# Allegro board SG2042_EVB_V2_0.brd (continued)
## Routing (per net, layer and track width the routed paths; a pad name or vN(x,y) marks a point on that pad's centre or on a via; arc(x,y) is an arc through that point) (continued)
NVME0_TX_P0: length 2.1
  TOP w0.114: J2030.49 153.01,43.69 152.88,43.56 152.2,43.56 C5870.2
NVME0_TX_P1: length 2.1
  TOP w0.114: C5874.2 152.21,40.56 152.88,40.56 153.01,40.69 J2030.37
NVME0_TX_P2: length 2.1
  TOP w0.114: J2030.25 153.01,37.69 152.88,37.56 152.21,37.56 C5878.2
NVME0_TX_P3: length 2.1
  TOP w0.114: C5882.2 152.21,34.56 152.88,34.56 153.01,34.69 J2030.13
OSC32_IN: length 9.7
  TOP w0.102: U2001.1 18.69,63.73 19.23,64.26 19.23,64.57 19.58,64.92 23.55,64.92 C2000.1 24.26,64.92 25.32,64.92 25.43,65.02 Y2000.1
OSC32_OUT: length 9.4
  TOP w0.102: Y2000.2 25.43,64.62 25.32,64.72 24.26,64.72 C2001.1 23.55,64.72 19.66,64.72 19.43,64.49 19.43,64.26 19.96,63.73 U2001.2
PCB_VRE0: length 2.4
  TOP w0.102: U2009.26 v1(117.72,28.83)
  BOTTOM w0.102: v1(117.72,28.83) 117.73,28.83 C3335.2 R2037.2
PCIE0_0_REFCLK_M: length 125.3
  TOP w0.081: R275.2 114.72,113.25 115.03,113.25 115.42,113.64 115.75,113.64 R292.1 116.41,113.64 135.34,113.64 138.6,110.39 v1(138.86,110.39)
  ART03 w0.089: v1(138.86,110.39) 138.86,110.13 139.06,109.93 139.32,109.93 141.68,112.3 141.68,165.32 124.63,182.38 124.63,198.94 124.86,199.17 125.16,199.17 125.25,199.26 v1(125.25,199.55)
PCIE0_0_REFCLK_P: length 125.3
  TOP w0.081: R274.2 114.72,113.01 115.12,113.01 115.51,113.41 115.75,113.41 R293.1 116.41,113.41 135.24,113.41 138.43,110.22 v1(138.43,109.96)
  ART03 w0.089: v1(125.25,198.55) 125.25,198.84 125.16,198.93 124.96,198.93 124.87,198.84 124.87,182.48 141.93,165.42 141.93,112.2 139.42,109.69 138.96,109.69 138.69,109.96 v1(138.43,109.96)
PCIE0_1_REFCLK_M: length 119.7
  TOP w0.081: v1(137.21,108.74) 136.94,108.74 134.71,110.98 117.83,110.98 R294.1 117.17,110.98 116.15,110.98 115.86,111.27 114.72,111.27 R271.2
  ART14 w0.089: v1(137.21,108.74) 136.95,108.74 136.63,109.06 136.63,109.4 141.93,114.69 141.93,165.42 125.87,181.48 125.87,193.94 125.64,194.17 125.34,194.17 125.25,194.26 v1(125.25,194.55)
PCIE0_1_REFCLK_P: length 119.7
  TOP w0.081: R270.2 114.72,111.03 115.76,111.03 116.05,110.74 117.17,110.74 R295.1 117.83,110.74 134.61,110.74 135.61,109.74 arc(135.66,109.63) 135.61,109.52 arc(135.57,109.41) 135.61,109.29 135.68,109.23 arc(135.79,109.18) 135.9,109.23 arc(136.01,109.27) 136.12,109.23 136.78,108.57 v1(136.78,108.31)
  ART14 w0.089: v1(136.78,108.31) 136.78,108.57 136.39,108.96 136.39,109.5 141.68,114.79 141.68,165.32 125.63,181.38 125.63,193.84 125.54,193.93 125.34,193.93 125.25,193.84 v1(125.25,193.55)
PCIE0_2_REFCLK_M: length 56.5
  TOP w0.081: R283.2 101.37,107.62 v1(101.24,107.49) ; J2046.A14 60.6,86.35 60.22,86.73 60.22,87.14 R288.1 60.55,87.95 v1(60.41,88.09)
  ART14 w0.089: v1(101.24,107.49) 101.15,107.39 arc(101.05,107.33) 100.94,107.31 87.12,107.31 arc(83.1,106.51) 79.7,104.23 78.67,103.2 arc(77.14,100.92) 76.61,98.23 76.61,96.78 arc(76.33,95.41) 75.56,94.25 75.54,94.24 arc(74.39,93.46) 73.02,93.19 67.12,93.19 arc(66.78,93.12) 66.49,92.93 62.31,88.75 arc(62.19,88.7) 62.08,88.75 arc(61.96,88.8) 61.85,88.75 61.79,88.69 arc(61.74,88.57) 61.79,88.46 arc(61.84,88.35) 61.79,88.23 61.17,87.61 arc(60.95,87.46) 60.7,87.41 60.51,87.41 arc(60.41,87.43) 60.32,87.49 60.31,87.51 arc(60.25,87.59) 60.23,87.69 60.23,87.78 arc(60.25,87.89) 60.32,87.99 v1(60.41,88.09)
PCIE0_2_REFCLK_P: length 56.5
  TOP w0.081: v1(101.24,106.88) 101.37,106.76 R282.2 ; v1(59.8,88.09) 59.66,87.95 R289.1 59.98,87.16 59.98,86.73 59.6,86.35 J2046.A13
  ART14 w0.089: v1(59.8,88.09) 59.9,87.99 arc(59.97,87.89) 59.99,87.78 59.99,87.69 arc(60.03,87.5) 60.14,87.34 60.15,87.32 arc(60.32,87.21) 60.51,87.17 60.7,87.17 arc(61.04,87.24) 61.34,87.44 66.66,92.76 arc(66.87,92.9) 67.12,92.95 73.02,92.95 arc(74.48,93.24) 75.72,94.07 75.73,94.08 arc(76.56,95.32) 76.85,96.78 76.85,98.23 arc(77.37,100.83) 78.84,103.03 79.87,104.06 arc(83.2,106.29) 87.12,107.07 100.94,107.07 arc(101.05,107.05) 101.15,106.98 v1(101.24,106.88)
PCIE0_3_REFCLK_M: length 1.7
  TOP w0.081: R269.2 114.72,109.29 115.48,109.29 R296.1
PCIE0_3_REFCLK_P: length 1.7
  TOP w0.081: R268.2 114.72,109.05 115.48,109.05 R297.1
PCIE0_ATB_0: length 59.4
  TOP w0.102: T37.1 v1(152.58,285.47) ; U1.H29 v1(117.75,242.05)
  ART14 w0.102: v1(152.58,285.47) 152.58,284.76 118.13,250.32 118.13,242.43 v1(117.75,242.05)
PCIE0_ATB_1: length 58.3
  TOP w0.102: U1.G29 v1(117.75,243.05) ; T34.1 v1(152.12,285.01)
  ART14 w0.102: v1(117.75,243.05) 117.37,243.43 117.37,250.26 v1(152.12,285.01)
PCIE0_L0_CLKREQ_IN_X: length 244.1
  TOP w0.102: U1.E31 v1(119.75,245.05) ; U814.3 v1(41.58,241.78)
  ART05 w0.102: v1(41.58,241.78) 42.3,241.78 46.66,246.15 46.66,289.3 59.32,301.96 154.48,301.96 v1(163.45,292.99)
  BOTTOM w0.102: v1(163.45,292.99) 162.8,292.99 120.13,250.32 120.13,245.43 v1(119.75,245.05)
PCIE0_L0_CLKREQ_IN_X_H: length 169.1
  TOP w0.102: J2046.B12 v1(58.6,76.62) ; R1332.2 v1(42.11,231.7)
  ART03 w0.102: v1(42.11,231.7) 41.07,230.66 41.07,224.86 41.76,224.17 41.76,221.56 45.26,218.05 45.26,213.59 48.84,210.01 48.84,202.79 48.18,202.13 48.18,189.43 48.84,188.77 48.84,174.41 49,174.26 49,159.99 48.39,159.38 48.39,150.91 49.28,150.02 49.28,134.39 56.29,127.38 56.29,125.34 59.21,122.42 59.21,112.83 58.14,111.77 58.14,108.09 56.18,106.13 56.18,89.59 55.19,88.6 55.19,80.03 v1(58.6,76.62)
PCIE0_L0_RESET_X: length 239.2
  TOP w0.102: U814.1 v1(42.88,241.78) R2276.2 ; U1.A32 v1(120.75,249.05)
  ART05 w0.102: v1(163.45,292.18) 153.87,301.75 59.4,301.75 46.86,289.21 46.86,245.77 v1(42.88,241.78)
  BOTTOM w0.102: v1(120.75,249.05) 120.75,250.27 162.18,291.69 162.97,291.69 v1(163.45,292.18)
PCIE0_L0_RESET_X_H: length 156.9
  TOP w0.102: R1311.2 v1(42.98,231.7) ; J2046.A11 v1(55.6,86.54)
  ART03 w0.102: v1(42.98,231.7) 41.27,230 41.27,224.94 41.96,224.26 41.96,221.64 45.47,218.14 45.47,213.67 49.05,210.09 49.05,174.5 49.2,174.35 49.2,150.38 49.48,150.1 49.48,135.79 56.49,128.78 56.49,125.43 59.41,122.5 59.41,112.75 58.34,111.68 58.34,108 56.39,106.05 56.39,89.51 55.6,88.72 v1(55.6,86.54)
PCIE0_L0_WAKEUP_X: length 260.9
  TOP w0.102: U814.4 v1(40.93,242.29) ; U1.C32 v1(120.75,247.05)
  ART03 w0.102: v1(120.75,247.05) 121.13,247.43 121.13,249.97 124.68,253.52 129.72,253.52 163.68,287.48 171.55,287.48 v1(173.18,289.1)
  ART05 w0.102: v1(40.93,242.29) 41.19,242.29 46.46,247.55 46.46,289.38 59.23,302.16 155.02,302.16 163.4,293.78 168.83,293.78 173.18,289.42 v1(173.18,289.1)
PCIE0_L0_WAKEUP_X_H: length 167.1
  TOP w0.102: J2046.B11 v1(55.6,76.62) ; R1334.2 v1(41.25,231.7)
  ART03 w0.102: v1(55.6,76.62) 54.99,77.23 54.99,88.69 55.98,89.68 55.98,106.21 57.94,108.17 57.94,111.85 59,112.92 59,122.34 56.08,125.26 56.08,127.3 49.07,134.31 49.07,149.94 48.18,150.83 48.18,159.47 48.79,160.08 48.79,174.18 48.64,174.33 48.64,188.68 47.98,189.34 47.98,210.59 45.06,213.51 45.06,217.97 41.55,221.47 41.55,224.09 40.87,224.77 40.87,231.32 v1(41.25,231.7)
PCIE0_L1_CLKREQ_IN_X: length 249
  TOP w0.102: U814.6 v1(39.63,242.29) ; U1.D32 v1(120.75,246.05)
  ART05 w0.102: v1(39.63,242.29) 39.63,241.78 40.01,241.4 43.15,241.4 47.07,245.31 47.07,289.13 52.92,294.98 59.49,301.55 88.8,301.55 89.61,300.74 91.29,300.74 92.1,301.55 99.03,301.55 99.85,300.74 101.52,300.74 102.34,301.55 109.27,301.55 110.08,300.74 111.76,300.74 112.57,301.55 119.51,301.55 120.32,300.74 122,300.74 122.81,301.55 129.74,301.55 130.56,300.74 132.23,300.74 133.05,301.55 139.98,301.55 140.79,300.74 142.47,300.74 143.28,301.55 153.47,301.55 v1(162.84,292.18)
  ART14 w0.102: v1(120.75,246.05) 120.37,246.43 120.37,250.27 162.28,292.18 v1(162.84,292.18)
PCIE0_L1_CLKREQ_IN_X_H: length 278.5
  TOP w0.102: R12492.1 v1(130.66,89.46) ; R1335.2 v1(39.52,231.7)
  ART05 w0.102: v1(39.52,231.7) 39.01,231.19 28.73,231.19 25.12,227.58 25.12,218.83 25.76,218.19 25.76,209.29 25.12,208.65 25.12,201.02 25.73,200.41 25.73,191.1 21.49,186.86 21.49,170.37 18.9,167.78 18.9,159.67 16.22,157 15.62,157 5.26,146.64 5.26,119.3 22.63,101.92 22.63,92.66 v1(23.01,92.28)
  BOTTOM w0.102: v1(130.66,89.46) 127.69,92.43 23.16,92.43 v1(23.01,92.28)
PCIE0_L1_RESET_X: length 263.6
  TOP w0.102: R2280.2 v1(40.28,241.78) U814.5 ; U1.C33 v1(121.75,247.05)
  ART03 w0.102: v1(173.79,289.1) 171.96,287.27 163.77,287.27 129.81,253.31 124.76,253.31 121.37,249.92 121.37,247.43 v1(121.75,247.05)
  ART05 w0.102: v1(173.79,289.1) 168.91,293.98 163.48,293.98 155.1,302.36 59.15,302.36 46.25,289.47 46.25,247.76 41.29,242.8 40.79,242.8 40.28,242.29 v1(40.28,241.78)
PCIE0_L1_RESET_X_H: length 314.3
  TOP w0.102: R12491.1 163.14,91.85 158.27,96.72 137.16,96.72 135.86,98.02 131.55,98.02 v1(127.3,93.78) ; R1312.2 v1(40.39,231.7)
  ART05 w0.102: v1(23.01,92.89) 22.83,93.07 22.83,102.01 5.46,119.38 5.46,146.55 15.7,156.79 16.31,156.79 19.1,159.59 19.1,167.69 21.69,170.28 21.69,186.78 25.93,191.02 25.93,191.19 25.93,200.5 25.32,201.11 25.32,208.57 25.96,209.2 25.96,209.37 25.96,209.37 25.96,218.28 25.32,218.91 25.32,227.49 28.82,230.99 39.67,230.99 v1(40.39,231.7)
  BOTTOM w0.102: v1(23.01,92.89) 23.27,92.63 126.16,92.63 v1(127.3,93.78)
PCIE0_L1_WAKEUP_X: length 58.8
  TOP w0.102: U1.F30 v1(118.75,244.05) ; v1(151.1,286.92) T33.1 R12948.2
  BOTTOM w0.102: v1(118.75,244.05) 119.37,244.67 119.37,250.27 151.1,282 v1(151.1,286.92)
PCIE0_REXT: length 59
  TOP w0.102: R17.1 v1(149.68,285.52) ; U1.J29 v1(117.75,241.05)
  BOTTOM w0.102: v1(117.75,241.05) 118.37,241.67 118.37,250.53 149.68,281.84 v1(149.68,285.52)
PCIE0_RXM[0]: length 167.8
  TOP w0.381: v1(63.41,86.54) 63.6,86.34 J2046.A17
  ART14 w0.104: v1(117.25,194.55) 117.55,194.25 117.63,194.25 117.84,194.04 117.84,191.88 117.88,191.84 117.88,191.82
  ART14 w0.124: v1(63.41,86.54) 63.23,86.71 63.23,87.22 67.16,91.16 75.48,91.16 79.65,95.32 110.06,95.32 133.09,118.35 133.09,161.76 117.88,176.98 117.88,191.82
PCIE0_RXM[1]: length 166.2
  TOP w0.381: J2046.A22 68.6,86.34 v1(68.4,86.54)
  ART14 w0.104: 118.88,191.82 118.88,191.84 118.84,191.88 118.84,196.04 118.63,196.25 118.55,196.25 v1(118.25,196.55)
  ART14 w0.124: 118.88,191.82 118.88,177.54 134.2,162.22 134.2,117.9 110.52,94.22 80.1,94.22 75.94,90.06 71.06,90.06 68.23,87.22 68.23,86.71 v1(68.4,86.54)
PCIE0_RXM[2]: length 161.6
  TOP w0.381: v1(72.4,86.54) 72.6,86.34 J2046.A26
  ART14 w0.104: v1(119.25,194.55) 119.55,194.25 119.63,194.25 119.84,194.04 119.84,191.88 119.88,191.84 119.88,191.82
  ART14 w0.124: v1(72.4,86.54) 72.23,86.71 72.23,87.22 73.96,88.96 76.4,88.96 80.56,93.12 110.97,93.12 135.3,117.44 135.3,162.67 119.88,178.1 119.88,191.82
PCIE0_RXM[3]: length 161
  TOP w0.381: J2046.A30 76.6,86.34 v1(76.4,86.54)
  ART14 w0.104: v1(120.25,196.55) 120.55,196.25 120.63,196.25 120.84,196.04 120.84,191.88 120.88,191.84 120.88,191.82
  ART14 w0.124: 120.88,191.82 120.88,178.66 136.4,163.13 136.4,116.98 111.43,92.01 81.02,92.01 76.23,87.22 76.23,86.71 v1(76.4,86.54)
PCIE0_RXM[4]: length 154.4
  TOP w0.381: v1(82.4,86.54) 82.6,86.34 J2046.A36
  ART14 w0.104: 121.88,191.82 121.88,191.84 121.84,191.88 121.84,194.04 121.63,194.25 121.55,194.25 v1(121.25,194.55)
  ART14 w0.124: 121.88,191.82 121.88,179.22 137.5,163.59 137.5,116.53 111.89,90.91 85.91,90.91 82.23,87.22 82.23,86.71 v1(82.4,86.54)
PCIE0_RXM[5]: length 153.8
  TOP w0.381: J2046.A40 86.6,86.34 v1(86.4,86.54)
  ART14 w0.104: v1(122.25,196.55) 122.55,196.25 122.63,196.25 122.84,196.04 122.84,191.96 122.88,191.92 122.88,191.82
  ART14 w0.124: 122.88,191.82 122.88,179.77 138.61,164.05 138.61,116.07 112.34,89.81 88.81,89.81 86.23,87.22 86.23,86.71 v1(86.4,86.54)
PCIE0_RXM[6]: length 149.2
  TOP w0.381: J2046.A44 90.6,86.34 v1(90.4,86.54)
  ART14 w0.104: 123.88,191.82 123.88,191.92 123.84,191.96 123.84,194.04 123.63,194.25 123.55,194.25 v1(123.25,194.55)
  ART14 w0.124: 123.88,191.82 123.88,180.33 139.71,164.5 139.71,115.61 112.8,88.71 91.71,88.71 90.23,87.22 90.23,86.71 v1(90.4,86.54)
PCIE0_RXM[7]: length 148.7
  TOP w0.381: v1(94.4,86.54) 94.6,86.34 J2046.A48
  ART14 w0.104: v1(124.25,196.55) 124.55,196.25 124.63,196.25 124.84,196.04 124.84,191.96 124.88,191.92 124.88,191.82
  ART14 w0.124: v1(94.4,86.54) 94.23,86.71 94.23,87.22 94.61,87.6 113.26,87.6 140.81,115.16 140.81,164.96 124.88,180.89 124.88,191.82
PCIE0_RXP[0]: length 167.8
  TOP w0.381: v1(62.8,86.54) 62.6,86.34 J2046.A16
  ART14 w0.104: 117.62,191.82 117.62,191.84 117.66,191.88 117.66,193.97 117.56,194.07 117.35,194.07 117.25,193.97 v1(117.25,193.55)
  ART14 w0.124: v1(62.8,86.54) 62.97,86.71 62.97,87.33 67.06,91.41 75.38,91.41 79.54,95.57 109.96,95.57 132.84,118.46 132.84,161.66 117.62,176.87 117.62,191.82
PCIE0_RXP[1]: length 166.2
  TOP w0.381: J2046.A21 67.6,86.34 v1(67.8,86.54)
  ART14 w0.104: v1(118.25,195.55) 118.25,195.97 118.35,196.07 118.56,196.07 118.66,195.97 118.66,191.88 118.62,191.84 118.62,191.82
  ART14 w0.124: 118.62,191.82 118.62,177.43 133.94,162.11 133.94,118 110.41,94.47 80,94.47 75.84,90.31 70.96,90.31 67.97,87.33 67.97,86.71 v1(67.8,86.54)
PCIE0_RXP[2]: length 161.6
  TOP w0.381: v1(71.8,86.54) 71.6,86.34 J2046.A25
  ART14 w0.104: v1(119.25,193.55) 119.25,193.97 119.35,194.07 119.56,194.07 119.66,193.97 119.66,191.88 119.62,191.84 119.62,191.82
  ART14 w0.124: 119.62,191.82 119.62,177.99 135.05,162.57 135.05,117.55 110.87,93.37 80.45,93.37 76.29,89.21 73.85,89.21 71.97,87.33 71.97,86.71 v1(71.8,86.54)
PCIE0_RXP[3]: length 161
  TOP w0.381: v1(75.8,86.54) 75.6,86.34 J2046.A29
  ART14 w0.104: 120.62,191.82 120.62,191.84 120.66,191.88 120.66,195.97 120.56,196.07 120.35,196.07 120.25,195.97 v1(120.25,195.55)
  ART14 w0.124: 120.62,191.82 120.62,178.55 136.15,163.03 136.15,117.09 111.33,92.27 80.91,92.27 75.97,87.33 75.97,86.71 v1(75.8,86.54)
PCIE0_RXP[4]: length 154.5
  TOP w0.381: v1(81.8,86.54) 81.6,86.34 J2046.A35
  ART14 w0.104: 121.62,191.82 121.62,191.84 121.66,191.88 121.66,193.97 121.56,194.07 121.35,194.07 121.25,193.97 v1(121.25,193.55)
  ART14 w0.124: v1(81.8,86.54) 81.97,86.71 81.97,87.33 85.81,91.16 111.78,91.16 137.25,116.63 137.25,163.48 121.62,179.11 121.62,191.82
PCIE0_RXP[5]: length 153.9
  TOP w0.381: J2046.A39 85.6,86.34 v1(85.8,86.54)
  ART14 w0.104: v1(122.25,195.55) 122.25,195.97 122.35,196.07 122.56,196.07 122.66,195.97 122.66,191.88 122.62,191.84 122.62,191.82
  ART14 w0.124: v1(85.8,86.54) 85.97,86.71 85.97,87.33 88.71,90.06 112.24,90.06 138.35,116.17 138.35,163.94 122.62,179.67 122.62,191.82
PCIE0_RXP[6]: length 149.3
  TOP w0.381: v1(89.8,86.54) 89.6,86.34 J2046.A43
  ART14 w0.104: 123.62,191.82 123.62,191.84 123.66,191.88 123.66,193.97 123.56,194.07 123.35,194.07 123.25,193.97 v1(123.25,193.55)
  ART14 w0.124: 123.62,191.82 123.62,180.23 139.46,164.4 139.46,115.72 112.7,88.96 91.6,88.96 89.97,87.33 89.97,86.71 v1(89.8,86.54)
PCIE0_RXP[7]: length 148.7
  TOP w0.381: v1(93.8,86.54) 93.6,86.34 J2046.A47
  ART14 w0.104: 124.62,191.82 124.62,191.84 124.66,191.88 124.66,195.97 124.56,196.07 124.35,196.07 124.25,195.97 v1(124.25,195.55)
  ART14 w0.124: 124.62,191.82 124.62,180.79 140.56,164.86 140.56,115.26 113.15,87.86 94.5,87.86 93.97,87.33 93.97,86.71 v1(93.8,86.54)
PCIE0_TXM[0]: length 2.2
  TOP w0.152: C382.2 61.41,77.78 J2046.B15
PCIE0_TXM[0]_L: length 186.1
  TOP w0.254: C382.1 61.41,74.82
  ART03 w0.104: U1.BK29 116.95,199.25 116.87,199.25 116.66,199.04 116.66,191.88 116.62,191.84 116.62,191.82
  ART03 w0.124: 116.62,191.82 116.62,177.87 132.84,161.65 132.84,118.46 109.96,95.57 82.49,95.57 78.23,91.31 69.9,91.31 65.47,86.88 65.47,82.7 63.47,80.7 63.47,76.26 arc(63.4,76.07) 63.21,75.99 63.1,75.99 arc(62.83,75.72) 63.1,75.46 63.21,75.46 arc(63.4,75.38) 63.47,75.19 63.47,74.65 62.94,74.12 61.44,74.12 61.23,74.33 61.23,74.64 61.41,74.82
PCIE0_TXM[1]: length 2.2
  TOP w0.152: C387.2 66.4,77.78 J2046.B20
PCIE0_TXM[1]_L: length 184.5
  TOP w0.254: C387.1 66.4,74.82
  ART03 w0.104: U1.BH30 117.95,201.25 117.87,201.25 117.66,201.04 117.66,191.88 117.62,191.84 117.62,191.82
  ART03 w0.124: 117.62,191.82 117.62,178.43 133.94,162.11 133.94,118 110.41,94.47 82.95,94.47 78.68,90.2 73.3,90.2 69.97,86.88 69.97,82.7 67.97,80.7 67.97,76.26 arc(67.9,76.07) 67.71,75.99 67.6,75.99 arc(67.33,75.72) 67.6,75.46 67.71,75.46 arc(67.9,75.38) 67.97,75.19 67.97,74.65 67.44,74.12 66.44,74.12 66.23,74.33 66.23,74.64 66.4,74.82
PCIE0_TXM[2]: length 2.2
  TOP w0.152: C391.2 70.4,77.78 J2046.B24
PCIE0_TXM[2]_L: length 179.9
  TOP w0.254: C391.1 70.4,74.82
  ART03 w0.104: U1.BK31 118.95,199.25 118.87,199.25 118.66,199.04 118.66,191.96 118.62,191.92 118.62,191.82
  ART03 w0.124: 118.62,191.82 118.62,178.99 135.05,162.57 135.05,117.55 110.87,93.37 83.41,93.37 79.14,89.1 76.2,89.1 73.97,86.88 73.97,82.7 71.97,80.7 71.97,76.26 arc(71.9,76.07) 71.71,75.99 71.6,75.99 arc(71.33,75.72) 71.6,75.46 71.71,75.46 arc(71.9,75.38) 71.97,75.19 71.97,74.65 71.44,74.12 70.44,74.12 70.23,74.33 70.23,74.64 70.4,74.82
PCIE0_TXM[3]: length 2.2
  TOP w0.152: J2046.B28 74.4,77.78 C395.2
PCIE0_TXM[3]_L: length 179.3
  TOP w0.254: C395.1 74.4,74.82
  ART03 w0.104: U1.BH32 119.95,201.25 119.87,201.25 119.66,201.04 119.66,191.88 119.62,191.84 119.62,191.82
  ART03 w0.124: 119.62,191.82 119.62,179.55 136.15,163.03 136.15,117.09 111.33,92.27 83.86,92.27 78.47,86.88 78.47,82.7 76.47,80.7 76.47,76.26 arc(76.4,76.07) 76.21,75.99 76.1,75.99 arc(75.83,75.72) 76.1,75.46 76.21,75.46 arc(76.4,75.38) 76.47,75.19 76.47,74.65 75.94,74.12 74.44,74.12 74.23,74.33 74.23,74.64 74.4,74.82
PCIE0_TXM[4]: length 2.2
  TOP w0.152: C399.2 80.4,77.78 J2046.B34
PCIE0_TXM[4]_L: length 172.7
  TOP w0.254: C399.1 80.4,74.82
  ART03 w0.104: 120.62,191.82 120.62,191.84 120.66,191.88 120.66,199.04 120.87,199.25 120.95,199.25 U1.BK33
  ART03 w0.124: 120.62,191.82 120.62,180.11 137.25,163.48 137.25,116.63 111.78,91.16 88.26,91.16 83.97,86.88 83.97,82.7 81.97,80.7 81.97,76.26 arc(81.9,76.07) 81.71,75.99 81.6,75.99 arc(81.33,75.72) 81.6,75.46 81.71,75.46 arc(81.9,75.38) 81.97,75.19 81.97,74.65 81.44,74.12 80.44,74.12 80.23,74.33 80.23,74.64 80.4,74.82
PCIE0_TXM[5]: length 2.2
  TOP w0.152: J2046.B38 84.4,77.78 C403.2
PCIE0_TXM[5]_L: length 172.1
  TOP w0.254: C403.1 84.4,74.82
  ART03 w0.104: 121.62,191.82 121.62,191.92 121.66,191.96 121.66,201.04 121.87,201.25 121.95,201.25 U1.BH34
  ART03 w0.124: 121.62,191.82 121.62,180.67 138.35,163.94 138.35,116.17 112.24,90.06 91.16,90.06 87.97,86.88 87.97,82.7 85.97,80.7 85.97,76.26 arc(85.9,76.07) 85.71,75.99 85.6,75.99 arc(85.33,75.72) 85.6,75.46 85.71,75.46 arc(85.9,75.38) 85.97,75.19 85.97,74.65 85.44,74.12 84.44,74.12 84.23,74.33 84.23,74.64 84.4,74.82
PCIE0_TXM[6]: length 2.2
  TOP w0.152: J2046.B42 88.41,77.79 C407.2
PCIE0_TXM[6]_L: length 167.5
  TOP w0.254: C407.1 88.41,74.82
  ART03 w0.104: 122.62,191.82 122.62,191.92 122.66,191.96 122.66,199.04 122.87,199.25 122.95,199.25 U1.BK35
  ART03 w0.124: 88.41,74.82 88.23,74.64 88.23,74.33 88.44,74.12 89.44,74.12 89.97,74.65 89.97,75.19 arc(89.95,75.29) 89.9,75.37 arc(89.81,75.43) 89.71,75.46 89.6,75.46 arc(89.33,75.72) 89.6,75.99 89.71,75.99 arc(89.9,76.07) 89.97,76.26 89.97,80.7 91.97,82.7 91.97,86.88 94.06,88.96 112.7,88.96 139.46,115.72 139.46,164.4 122.62,181.23 122.62,191.82
PCIE0_TXM[7]: length 2.2
  TOP w0.152: J2046.B46 92.41,77.79 C411.2
PCIE0_TXM[7]_L: length 166.9
  TOP w0.254: C411.1 92.41,74.82
  ART03 w0.104: 123.62,191.82 123.62,191.84 123.66,191.88 123.66,201.04 123.87,201.25 123.95,201.25 U1.BH36
  ART03 w0.124: 123.62,191.82 123.62,181.79 140.56,164.85 140.56,115.26 113.15,87.86 97.45,87.86 96.47,86.88 96.47,82.7 94.47,80.7 94.47,76.26 arc(94.4,76.07) 94.21,75.99 94.1,75.99 arc(93.83,75.72) 94.1,75.46 94.21,75.46 arc(94.4,75.38) 94.47,75.19 94.47,74.65 93.94,74.12 92.44,74.12 92.23,74.33 92.23,74.64 92.41,74.82
PCIE0_TXM[8]_L: length 112.4
  TOP w0.114: C415.1 v1(140.23,99.39)
  ART14 w0.104: 126.88,186.48 126.88,186.51 126.84,186.54 126.84,201.04 126.63,201.25 126.55,201.25 v1(126.25,201.55)
  ART14 w0.124: v1(140.23,99.39) 139.88,99.74 arc(139.79,99.8) 139.69,99.82 139.66,99.82 arc(139.56,99.84) 139.47,99.9 138.67,100.7 arc(138.59,100.82) 138.56,100.97 138.56,103.73 143.11,108.28 143.11,165.83 126.88,182.06 126.88,186.48
PCIE0_TXM[9]_L: length 108.3
  TOP w0.114: C419.1 v1(139.62,102.95)
  ART14 w0.104: 127.88,186.48 127.88,186.51 127.84,186.54 127.84,199.04 127.63,199.25 127.55,199.25 v1(127.25,199.55)
  ART14 w0.124: v1(139.62,102.95) 139.72,102.85 arc(139.78,102.76) 139.8,102.65 139.8,102.54 arc(139.92,102.25) 140.21,102.14 141.01,102.14 arc(141.39,102.29) 141.54,102.67 141.54,105.16 144.21,107.83 144.21,166.28 127.88,182.62 127.88,186.48
PCIE0_TXM[10]_L: length 111.7
  TOP w0.114: C423.1 v1(144.32,99.39)
  ART14 w0.104: v1(128.25,201.55) 128.55,201.25 128.63,201.25 128.84,201.04 128.84,186.54 128.88,186.51 128.88,186.48
  ART14 w0.124: v1(144.32,99.39) 143.97,99.74 arc(143.88,99.8) 143.78,99.82 143.75,99.82 arc(143.65,99.84) 143.56,99.9 142.76,100.7 arc(142.67,100.82) 142.65,100.97 142.65,104.27 145.32,106.94 145.32,166.74 128.88,183.18 128.88,186.48
PCIE0_TXM[11]_L: length 107.6
  TOP w0.114: C427.1 v1(143.71,102.95)
  ART14 w0.104: 129.88,186.48 129.88,186.51 129.84,186.54 129.84,199.04 129.63,199.25 129.55,199.25 v1(129.25,199.55)
  ART14 w0.124: v1(143.71,102.95) 143.81,102.85 arc(143.87,102.76) 143.89,102.65 143.89,102.54 arc(144.01,102.25) 144.3,102.14 145.1,102.14 arc(145.48,102.29) 145.63,102.67 145.63,105.16 146.42,105.94 146.42,167.2 129.88,183.74 129.88,186.48
PCIE0_TXM[12]_L: length 111
  TOP w0.114: C431.1 v1(148.41,99.39)
  ART14 w0.104: 130.88,186.48 130.88,186.51 130.84,186.54 130.84,201.04 130.63,201.25 130.55,201.25 v1(130.25,201.55)
  ART14 w0.124: v1(148.41,99.39) 148.06,99.74 arc(147.97,99.8) 147.87,99.82 147.84,99.82 arc(147.74,99.84) 147.65,99.9 146.84,100.7 arc(146.76,100.82) 146.74,100.97 146.74,104.7 147.52,105.48 147.52,167.65 130.88,184.3 130.88,186.48
PCIE0_TXM[13]_L: length 107.9
  TOP w0.114: C435.1 v1(147.8,102.95)
  ART14 w0.104: v1(131.25,199.55) 131.55,199.25 131.63,199.25 131.84,199.04 131.84,186.54 131.88,186.51 131.88,186.48
  ART14 w0.124: 131.88,186.48 131.88,184.86 148.62,168.11 148.62,106.25 149.72,105.16 149.72,102.67 arc(149.57,102.29) 149.19,102.14 148.39,102.14 arc(148.1,102.25) 147.98,102.54 147.98,102.65 arc(147.96,102.76) 147.9,102.85 v1(147.8,102.95)
PCIE0_TXM[14]_L: length 111.2
  TOP w0.114: C439.1 v1(152.5,99.39)
  ART14 w0.104: 132.88,186.48 132.88,186.51 132.84,186.54 132.84,201.04 132.63,201.25 132.55,201.25 v1(132.25,201.55)
  ART14 w0.124: 132.88,186.48 132.88,185.42 149.73,168.57 149.73,106.71 150.83,105.61 150.83,100.97 arc(150.85,100.82) 150.93,100.7 151.74,99.9 arc(151.82,99.84) 151.93,99.82 151.96,99.82 arc(152.06,99.8) 152.15,99.74 v1(152.5,99.39)
PCIE0_TXM[15]_L: length 108.7
  TOP w0.114: C443.1 v1(151.89,102.95)
  ART14 w0.104: 133.88,186.48 133.88,186.51 133.84,186.54 133.84,199.04 133.63,199.25 133.55,199.25 v1(133.25,199.55)
  ART14 w0.124: v1(151.89,102.95) 151.99,102.85 arc(152.05,102.76) 152.07,102.65 152.07,102.54 arc(152.19,102.25) 152.48,102.14 153.28,102.14 arc(153.66,102.29) 153.81,102.67 153.81,105.02 150.83,108.01 150.83,169.03 133.88,185.98 133.88,186.48
PCIE0_TXP[0]: length 2.2
  TOP w0.152: J2046.B14 60.8,77.78 C383.2
PCIE0_TXP[0]_L: length 186.1
  TOP w0.254: C383.1 60.8,74.82
  ART03 w0.104: U1.BL29 117.25,198.97 117.15,199.07 116.94,199.07 116.84,198.97 116.84,191.88 116.88,191.84 116.88,191.82
  ART03 w0.124: 116.88,191.82 116.88,177.98 133.09,161.76 133.09,118.35 110.06,95.32 82.6,95.32 78.33,91.05 70.01,91.05 65.73,86.77 65.73,82.6 63.73,80.6 63.73,74.55 63.05,73.87 61.34,73.87 60.97,74.23 60.97,74.64 60.8,74.82
PCIE0_TXP[1]: length 2.2
  TOP w0.152: J2046.B19 65.8,77.78 C385.2
PCIE0_TXP[1]_L: length 184.5
  TOP w0.254: C385.1 65.8,74.82
  ART03 w0.104: 117.88,191.82 117.88,191.84 117.84,191.88 117.84,200.97 117.94,201.07 118.15,201.07 118.25,200.97 U1.BJ30
  ART03 w0.124: 117.88,191.82 117.88,178.54 134.2,162.22 134.2,117.9 110.52,94.22 83.05,94.22 78.79,89.95 73.41,89.95 70.23,86.77 70.23,82.6 68.23,80.6 68.23,74.55 67.55,73.87 66.34,73.87 65.97,74.23 65.97,74.64 65.8,74.82
PCIE0_TXP[2]: length 2.2
  TOP w0.152: J2046.B23 69.8,77.78 C389.2
PCIE0_TXP[2]_L: length 179.9
  TOP w0.254: C389.1 69.8,74.82
  ART03 w0.104: 118.88,191.82 118.88,191.84 118.84,191.88 118.84,198.97 118.94,199.07 119.15,199.07 119.25,198.97 U1.BL31
  ART03 w0.124: 69.8,74.82 69.97,74.64 69.97,74.23 70.34,73.87 71.55,73.87 72.23,74.55 72.23,80.6 74.23,82.6 74.23,86.77 76.3,88.85 79.24,88.85 83.51,93.12 110.97,93.12 135.3,117.44 135.3,162.67 118.88,179.1 118.88,191.82
PCIE0_TXP[3]: length 2.2
  TOP w0.152: C393.2 73.8,77.78 J2046.B27
PCIE0_TXP[3]_L: length 179.3
  TOP w0.254: C393.1 73.8,74.82
  ART03 w0.104: 119.88,191.82 119.88,191.84 119.84,191.88 119.84,200.97 119.94,201.07 120.15,201.07 120.25,200.97 U1.BJ32
  ART03 w0.124: 73.8,74.82 73.97,74.64 73.97,74.23 74.34,73.87 76.05,73.87 76.73,74.55 76.73,80.6 78.73,82.6 78.73,86.77 83.97,92.01 111.43,92.01 136.4,116.98 136.4,163.13 119.88,179.66 119.88,191.82
PCIE0_TXP[4]: length 2.2
  TOP w0.152: C397.2 79.8,77.78 J2046.B33
PCIE0_TXP[4]_L: length 172.7
  TOP w0.254: C397.1 79.8,74.82
  ART03 w0.104: 120.88,191.82 120.88,191.84 120.84,191.88 120.84,198.97 120.94,199.07 121.15,199.07 121.25,198.97 U1.BL33
  ART03 w0.124: 79.8,74.82 79.97,74.64 79.97,74.23 80.34,73.87 81.55,73.87 82.23,74.55 82.23,80.6 84.23,82.6 84.23,86.77 88.37,90.91 111.89,90.91 137.5,116.53 137.5,163.59 120.88,180.21 120.88,191.82
